# Altium PCB spin5v1_simple.PcbDoc (part 15 of 25) (continued)
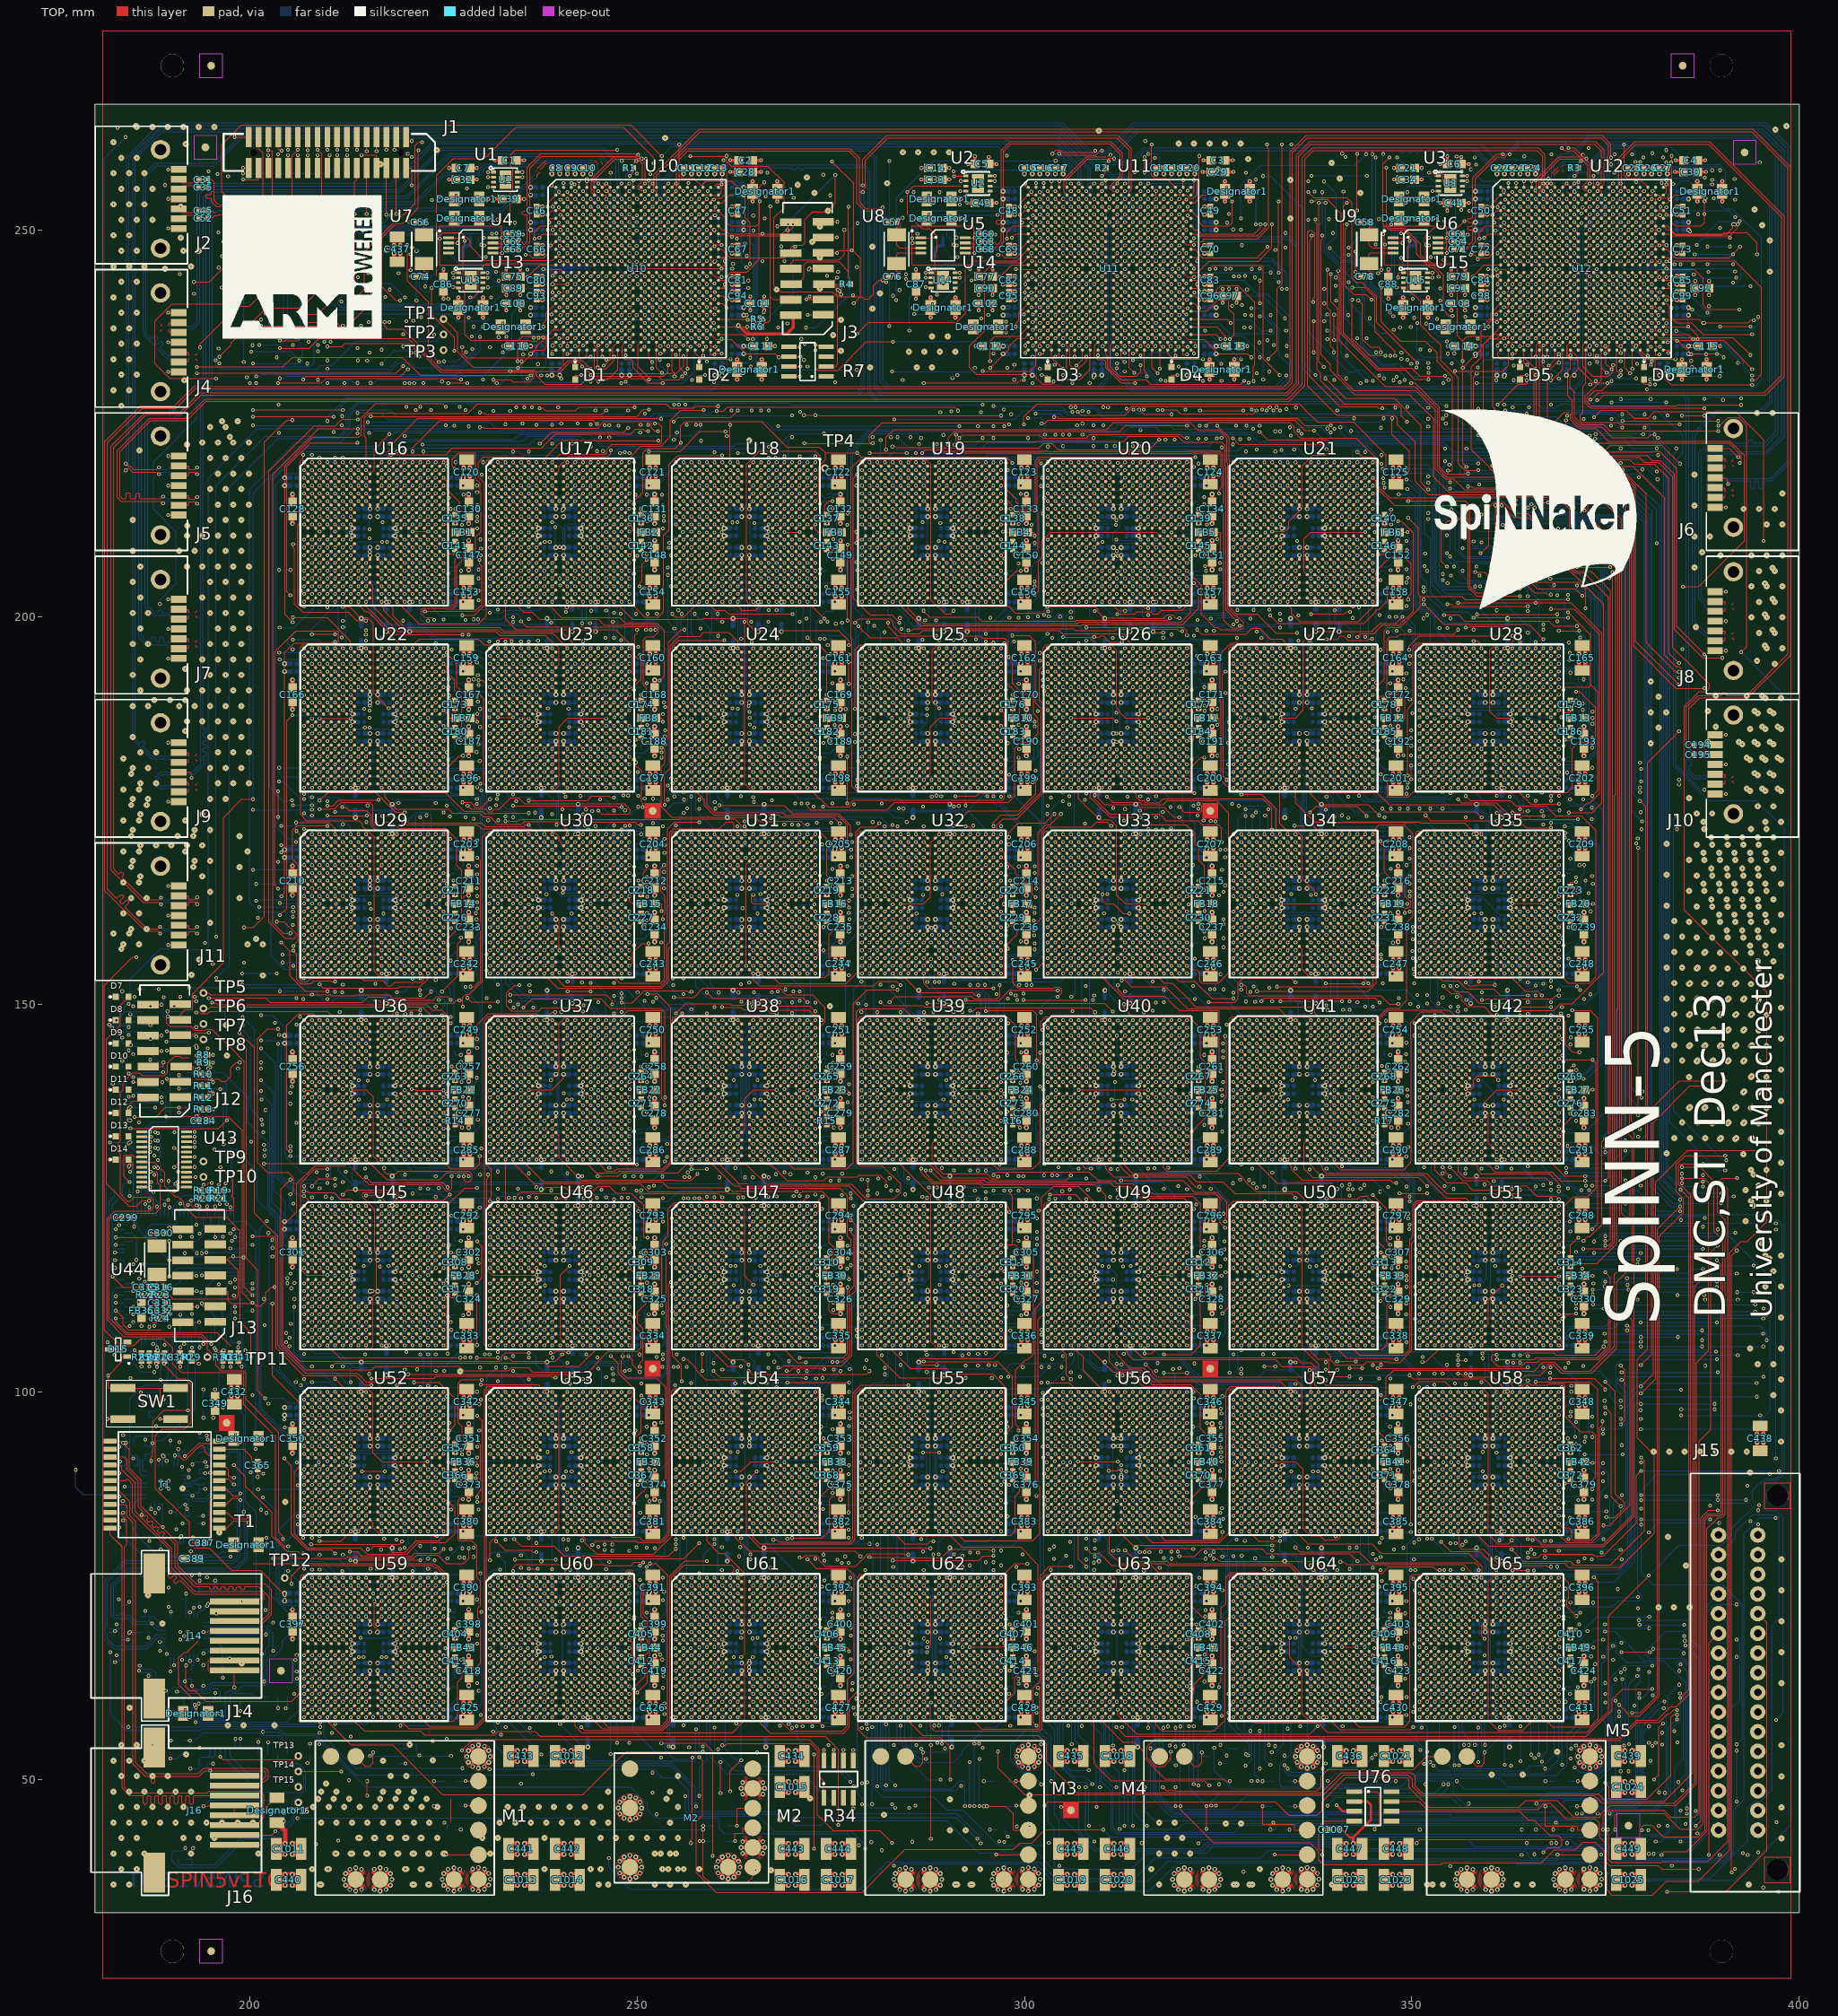
[diagram p0: TOP view]
## Nets (pads, with @x,y where several pads share a name; then routed paths per layer and width w, separated by ;. In a path a pad name is that pad's centre, name@x,y a point inside that pad or via, vN(x,y) a via of type N, cw(c..) or ccw(c..) an arc to the next point about the centre after c; other vN are vias at no path point) (continued)
  other v1: 219,84 234,123
S39_L1<12>: U46.C4 U52.R12
  other v1: 219,85 229.334,92.924 234,122
S39_L1<13>: U46.A5 U52.V13
  other v1: 220,82 235,124
S39_L1<14>: U46.B5 U52.U13 | length 2.7
  TOP w0.127: v1(229.291,104.412) v1(232,104.412)
  other v1: 220,83 235,123
S39_L1<15>: U46.C5 U52.T13
  other v1: 220,84 235,122
S39_L2<0>: U45.R5 U52.R16 | length 20.8
  TOP w0.127: v1(211,101.693) 212.262,100.431 215.192,100.431 215.891,99.732 215.891,92.139 217.034,90.996 v1(222.901,90.996)
  other v1: 223,85 211,109
S39_L2<1>: U45.V3 U52.N15 | length 17.3
  BOTTOM w0.127: v1(206.569,89.431) 213.232,89.431 213.431,89.232 213.431,87.828 213.828,87.431 221.569,87.431 v1(222,87)
  other v1: 209,106
S39_L2<2>: U45.V4 U52.N16 | length 17.8
  TOP w0.127: v1(210,106) 211.589,104.411 226.737,104.411 226.738,104.412 v1(227.169,104.412)
  other v1: 223,87 227.267,90.083
S39_L2<3>: U45.U4 U52.N17 | length 14.3
  BOTTOM w0.127: 210,107 210.432,106.568 210.432,105.95 210.813,105.569 222.273,105.569 v1(223,104.842)
  other v1: 224,87
S39_L2<4>: U45.T4 U52.N18 | length 26
  TOP w0.127: 225,87 225.607,87.607 v1(225.607,88.505)
  BOTTOM w0.127: v1(206.076,90.896) 206.507,90.896 206.903,90.5 213.034,90.5 213.431,90.897 213.431,91.966 213.531,92.066 218.461,92.066 218.561,91.966 218.561,88.823 218.879,88.505 v1(225.607,88.505)
  other v1: 210,108 205.289,108.8
S39_L2<5>: U45.V5 U52.P16 | length 25.6
  BOTTOM w0.127: v1(210,91.069) 209.569,91.069 209.276,91.362 205.899,91.362 205.645,91.108 205.645,89.701 206.915,88.431 212.232,88.431 212.431,88.232 212.431,86.939 212.939,86.431 222.569,86.431 v1(223,86)
  other v1: 211,106
S39_L2<6>: U45.U5 U52.P17 | length 39.7
  BOTTOM w0.127: v1(211,107) 211.569,106.431 223.232,106.431 223.431,106.232 223.431,89.939 223.939,89.431 225.339,89.431 226.038,88.732 226.038,87.601 225.949,87.512 225.949,86.604 226.049,86.504 226.951,86.504 227.051,86.404 227.051,85.544 226.951,85.444 224.556,85.444 224,86
S39_L2<7>: U45.T5 U52.P18 | length 59.7
  TOP w0.127: v1(202.916,111.4) 202.916,102.087 206.507,98.496 206.507,90.431 205.736,89.66 205.736,81.661 207.514,79.883 214.28,79.883 215.122,79.041 220.263,79.041 220.66,79.438 220.66,79.45 221.74,80.53 225.279,80.53 226.486,81.737 226.486,84.984 225.47,86 v1(225,86)
  other v1: 224,86 211,108
S39_L2<8>: U45.R7 U52.V18
  other v1: 215.601,77.158 225,82 213,109
S39_L2<9>: U45.V6 U52.R17
  other v1: 223,78.477 217.328,81.042 224,85 212,106
S39_L2<10>: U45.U6 U52.R18 | length 12.7
  TOP w0.127: v1(212.9,79.375) 213.859,79.375 214.447,78.787 220.914,78.787 221.289,79.162 224.456,79.162 v1(225.001,79.707)
  other v1: 225,85 212,107
S39_L2<11>: U45.T6 U52.T16
  other v1: 223,77.158 223,84 212,108
S39_L2<12>: U45.R6 U52.T17
  other v1: 223.862,79.793 218.939,80.926 224,84 220,102.88 212,109
S39_L2<13>: U45.V7 U52.T18 | length 14.1
  TOP w0.127: v1(215.201,79.682) 215.632,79.682 216.019,80.069 217.734,80.069 218.508,79.295 220.009,79.295 220.406,79.692 220.406,79.704 221.486,80.784 224.415,80.784 225.431,81.8 225.431,83.569 v1(225,84)
  other v1: 213,106
S39_L2<14>: U45.U7 U52.U17 | length 10.6
  TOP w0.127: v1(221.168,101.238) 224.39,101.238 226.486,99.142 226.486,95.713 v1(225.773,95)
  other v1: 224,83 225.989,84.813 213,107
S39_L2<15>: U45.T7 U52.U18
  other v1: 225,83 229.072,83.222 213,108
S39_L3<0>: U10.M1 U52.D11 | length 31.6
  TOP w0.127: v1(200.317,120.086) 203.093,120.086 203.347,119.832 203.347,105.68 206.903,102.124 213.67,102.124 214.496,101.298 214.496,101.243 214.877,100.862 v1(215.661,100.862)
  other v1: 218,97 199.924,236.37 239.099,244.065 239.099,244.065
S39_L3<1>: U10.M2 U52.A10 | length 58.6
  TOP w0.127: v1(198.647,146.336) 200.576,144.407 200.576,123.044 202.418,121.202 202.458,121.202 203.601,120.059 203.601,105.998 207.221,102.378 213.924,102.378 214.75,101.552 214.75,101.547 215.004,101.293 216.174,101.293 217,100.467 v1(217,100)
S39_L3<2>: U10.M3 U52.B10
  other v1: 217,99 241,244
S39_L3<3>: U10.M4 U52.C10
  other v1: 217,98 218.073,242.3 242,244
S39_L3<4>: U10.M5 U52.D10
  other v1: 217,97 232.142,243.465 243,244
S39_L3<5>: U10.M6 U52.A11
  other v1: 218,100 215.4,102.331 210,127.927 244,244
S39_L3<6>: U10.M7 U52.B11 | length 11.5
  BOTTOM w0.127: v1(200.404,224.77) v1(211.862,224.77)
  other v1: 218,99 214.872,104.842 213.867,223.732 245,244
S39_L3<7>: U10.M8 U52.C11 | length 3.5
  BOTTOM w0.127: v1(237,224.85) 237.431,225.281 239.488,225.281 239.769,225 v1(240.2,225)
  other v1: 218,98 246,244
S39_L3<8>: U10.N1 U52.D9 | length 40.6
  BOTTOM w0.127: v1(201.817,112) 201.817,111.569 201.479,111.231 201.479,97.808 204.718,94.569 215.24,94.569 215.685,95.014 215.685,96.315 v1(215,97) ; v1(230.742,242.6) 231.173,242.6 231.323,242.75 235.502,242.75 236.248,243.496 238.003,243.496 238.434,243.065
  other v1: 201.6,134.514 202.04,242.882
S39_L3<9>: U10.N3 U52.A8 | length 13.6
  TOP w0.127: v1(239.041,243) v1(241,243)
  BOTTOM w0.127: v1(205.119,105.896) 205.119,105.363 207.85,102.632 211.05,102.632 211.939,101.743 211.939,101.701 213.209,100.431 213.569,100.431 v1(214,100)
  other v1: 201.434,142.52 201.034,161.205 239.099,243
S39_L3<10>: U10.N4 U52.B8 | length 49.5
  BOTTOM w0.127: v1(205.72,111) 205.72,105.164 206.927,103.957 211.315,103.957 v1(212,103.272) ; v1(211.8,240.76) 212.345,240.215 227.978,240.215 229.185,241.422 229.185,243.699 230.392,244.906 230.907,244.906 231.106,244.707 231.106,243.892 231.427,243.571 231.427,243.542 231.935,243.034 233.739,243.034 234.455,243.75 236.836,243.75 237.035,243.949 237.035,243.988 237.543,244.496 241.113,244.496 241.431,244.178 241.431,243.569 242,243
  other v1: 214,99
S39_L3<11>: U10.N6 U52.C8 | length 38
  BOTTOM w0.127: v1(213.232,241.7) 212.131,241.7 211.369,240.938 211.369,240.406 211.814,239.961 230.779,239.961 231.573,240.755 231.573,240.781 233.288,242.496 238.655,242.496 239.582,241.569 243.232,241.569 243.431,241.768 243.431,242.431 244,243
  other v1: 214,98
S39_L3<12>: U10.N7 U52.D8 | length 11.5
  BOTTOM w0.127: v1(204.49,95.411) 206.24,95.411 206.26,95.431 214.05,95.431 214.431,95.812 214.431,96.569 v1(214,97)
  other v1: 245,243 203.671,250.935
S39_L3<13>: U10.P1 U52.A9 | length 6.5
  BOTTOM w0.127: v1(203.887,151.723) 208.427,151.723 209.452,150.698 v1(210,150.698)
  other v1: 215,100 215.2,240.9 239.069,241.931 244,243
S39_L3<14>: U10.P2 U52.B9
  other v1: 215,99 230.969,149.723 239.901,241.931
S39_L3<15>: U10.P3 U52.C9 | length 48.8
  BOTTOM w0.127: v1(205.259,115.268) 204.766,115.268 204.258,114.76 204.258,105.617 207.497,102.378 209.462,102.378 211.431,100.409 211.431,98.939 211.939,98.431 214.569,98.431 v1(215,98) ; v1(225.607,241.129) 225.607,242.62 226.381,243.394 226.437,243.394 226.69,243.647 226.69,243.703 228.147,245.16 231.042,245.16 231.36,244.842 231.36,244.348 231.559,244.149 236.582,244.149 236.781,244.348 236.781,244.353 237.178,244.75 241.859,244.75 242.431,244.178 242.431,242.812 242.05,242.431 241.431,242.431 241,242
S39_L4<0>: U10.J3 U52.D7 | length 8.8
  BOTTOM w0.127: v1(204.455,96.434) 212.434,96.434 v1(213,97)
  other v1: 197.632,132.348 192.77,241.76 241,248
S39_L4<1>: U10.J4 U52.A6
  other v1: 212,100 201.484,137.734 242,248 251.115,259.176
S39_L4<2>: U10.J6 U52.B6
  other v1: 212,99 205.61,124.302 205.397,139.421 202.04,244.482 207.594,244.482 244,248
S39_L4<3>: U10.J7 U52.C6
  other v1: 212,98 201.716,133.514 217.473,247.255 198.404,247.667 245,248
S39_L4<4>: U10.K1 U52.D6 | length 17.7
  TOP w0.127: v1(224.514,248.858) 224.514,249.304 224.895,249.685 227.286,249.685 228.429,248.542 228.429,247.894 230.271,246.052 239.052,246.052 U10.K1@239.5,246.5
  other v1: 212,97 212.422,248.858
S39_L4<5>: U10.K2 U52.A7
  other v1: 213,100 201.91,108.6 196.369,242.56 239.901,247
S39_L4<6>: U10.K3 U52.B7
  other v1: 213,99 208,125.116 241,247
S39_L4<7>: U10.K4 U52.C7 | length 97.1
  BOTTOM w0.127: v1(199.043,148.368) 200.586,146.825 200.586,139.054 201.221,138.419 201.438,138.419 202.835,137.022 202.835,124.496 204.344,122.987 204.344,119.002 205.995,117.351 206.04,117.351 206.437,116.954 206.437,104.846 206.818,104.465 211.476,104.465 213,102.941 v1(213,101.262) ; v1(207.164,241.682) 206.733,242.113 206.733,244.28 212.004,249.551 230.474,249.551 230.673,249.352 230.673,249.339 232.515,247.497 241.503,247.497 v1(242,247)
  other v1: 213,98
S39_L4<8>: U10.K5 U52.D5
  other v1: 211,97 206.569,100.862 207.164,242.882 216.479,246.867 243,247
S39_L4<9>: U10.K6 U52.A3
  other v1: 209,100 204.689,107.6 199.903,244.882 244,247
S39_L4<10>: U10.K7 U52.A4 | length 57.3
  BOTTOM w0.127: v1(202.035,136.388) 202.581,135.842 202.581,123.988 203.836,122.733 203.836,102.717 206.122,100.431 209.569,100.431 v1(210,100) ; v1(231.849,249.559) 231.849,249.068 232.421,248.496 242.113,248.496 242.431,248.178 242.431,246.95 242.812,246.569 244.569,246.569 v1(245,247)
  other v1: 200.753,246.867
S39_L4<11>: U10.K8 U52.B4 | length 25.6
  BOTTOM w0.127: v1(202.897,119.655) 202.485,119.243 202.485,103.686 206.74,99.431 209.569,99.431 v1(210,99)
  other v1: 203.735,223.786 246,247 207.564,248.858
S39_L4<12>: U10.L1 U52.C4 | length 87.2
  TOP w0.127: v1(198.681,145.136) 199.53,144.287 199.53,117.199 201.002,115.727 201.002,100.13 v1(201.955,99.177) ; v1(228.451,241.3) 228.894,241.3 229.466,241.872 229.466,244.669 230.482,245.685 238.212,245.685 238.397,245.5 U10.L1@239.5,245.5
  BOTTOM w0.127: v1(201.955,99.177) 204.304,99.177 204.915,98.566 209.434,98.566 v1(210,98) ; v1(213.935,243.9) 213.935,243.136 216.602,240.469 227.62,240.469 v1(228.451,241.3)
S39_L4<13>: U10.L3 U52.A5 | length 3.8
  BOTTOM w0.127: v1(208,101.262) 210.174,101.262 211,100.436 v1(211,100)
  other v1: 208,103.272 195.963,234.683 195.963,245.141 241,246
S39_L4<14>: U10.L4 U52.B5
  other v1: 211,99 242,246
S39_L4<15>: U10.L6 U52.C5 | length 22.7
  BOTTOM w0.127: v1(201.435,236.624) 202.609,236.624 203.006,237.021 203.006,245.468 209.356,251.818 v1(212.852,251.818)
  other v1: 211,98 204.86,114.03 205.229,138.621 244,246
S40_L0<0>: U45.R11 U46.D11 | length 6.4
  TOP w0.127: v1(229.317,106.042) v1(229.317,112.465)
  other v1: 220.2,105.138 218,109 242,121
S40_L0<1>: U45.V10 U46.A10 | length 15.4
  TOP w0.127: v1(217,106) 217.431,105.569 225.232,105.569 225.431,105.768 v1(225.431,112.43)
  other v1: 238.067,116.242 241,124
S40_L0<2>: U45.U10 U46.B10 | length 20.7
  BOTTOM w0.127: v1(214.681,116.258) 215.113,116.258 216.193,117.338 216.193,118.806 216.892,119.505 225.174,119.505 225.492,119.823 225.492,122.847 226.445,123.8 v1(229.665,123.8)
  other v1: 217,107 241,123
S40_L0<3>: U45.T10 U46.C10 | length 57
  BOTTOM w0.127: v1(217,108) 216.569,107.569 209.768,107.569 209.569,107.768 209.569,119.232 209.768,119.431 215.116,119.431 216.254,120.569 224.232,120.569 224.431,120.768 224.431,124.05 224.812,124.431 229.651,124.431 230.096,123.986 230.096,122.268 230.795,121.569 240.569,121.569 v1(241,122)
S40_L0<4>: U45.R10 U46.D10 | length 13.2
  BOTTOM w0.127: v1(217,109) 217.445,109.445 224.113,109.445 224.431,109.763 224.431,114.05 224.812,114.431 v1(225.431,114.431)
  other v1: 241,121
S40_L0<5>: U45.V11 U46.A11 | length 30.4
  BOTTOM w0.127: v1(217.912,116.242) 218.37,116.242 218.569,116.043 218.569,115.768 218.768,115.569 223.232,115.569 223.431,115.768 223.431,117.054 223.939,117.562 226.959,117.562 227.658,118.261 227.658,118.399 229.69,120.431 241.05,120.431 241.431,120.812 241.431,123.431 v1(242,124)
  other v1: 218,106 210,107
S40_L0<6>: U45.U11 U46.B11
  other v1: 218,107 227.533,109.892 229.272,122.6 242,123
S40_L0<7>: U45.T11 U46.C11 | length 37.9
  TOP w0.127: v1(229.304,114.069) 229.973,114.738 229.973,118.8 v1(229.342,119.431)
  BOTTOM w0.127: v1(218,108) 218.432,107.568 226.514,107.568 227.693,108.747 227.73,108.747 228.746,109.763 228.746,113.511 v1(229.304,114.069) ; v1(229.342,119.431) 242.051,119.431 242.432,119.812 242.432,121.568 v1(242,122)
S40_L0<8>: U45.R9 U46.D9
  other v1: 215,109 238.077,113.742 239,121
S40_L0<9>: U45.V8 U46.A8
  other v1: 232,105.138 214,106 238,124 232,124.862
S40_L0<10>: U45.U8 U46.B8 | length 23
  BOTTOM w0.127: v1(216.775,124.607) 217.206,124.607 217.216,124.597 218.205,124.597 218.323,124.715 229.778,124.715 230.35,124.143 230.35,123.014 230.795,122.569 237.569,122.569 v1(238,123)
  other v1: 214,107
S40_L0<11>: U45.T8 U46.C8
  other v1: 214,108 225.69,118.993 238,122
S40_L0<12>: U45.R8 U46.D8
  other v1: 214,109 238,121 220.043,128.042 238.917,128.442
S40_L0<13>: U45.V9 U46.A9 | length 34.3
  TOP w0.127: v1(215,106) 215,105.809 215.24,105.569 215.573,105.569 215.891,105.887 215.891,112.266 216.37,112.745 216.37,118.077 216.109,118.338 216.109,123.605 214.775,124.939 214.768,124.939 214.569,125.138 214.569,125.602 214.768,125.801 218.051,125.801 218.496,125.356 218.496,124.914 218.695,124.715 225.046,124.715 v1(225.8,125.469)
  other v1: 217,119 239,124
S40_L0<14>: U45.U9 U46.B9
  other v1: 215,107 239,123 221,125.606 238.917,126.02
S40_L0<15>: U45.T9 U46.C9 | length 19.1
  TOP w0.127: v1(230.746,128.045) 230.746,127.614 230.569,127.437 230.569,115.768 231.268,115.069 v1(237,115.069)
  other v1: 215,108 225.99,108 239,122
S40_L1<0>: U36.D7 U45.V16
  other v1: 223,106 213,145
S40_L1<1>: U36.A6 U45.V14
  other v1: 221,106 216.801,116.172 212,148
S40_L1<2>: U36.B6 U45.U14
  other v1: 221,107 220.057,114.965 212,147
S40_L1<3>: U36.C6 U45.T14
  other v1: 221,108 212,146
S40_L1<4>: U36.D6 U45.R14 | length 8.8
  BOTTOM w0.127: 212,145 212.569,144.431 213.232,144.431 213.431,144.232 213.431,137.941 213.63,137.742 v1(214.077,137.742)
  other v1: 221,109 215.825,113
S40_L1<5>: U36.A7 U45.V15 | length 20.2
  BOTTOM w0.127: v1(213,148) 213.432,147.568 213.432,146.939 213.94,146.431 222.232,146.431 222.431,146.232 222.431,139.95 222.812,139.569 225.445,139.569 v1(225.607,139.731)
  other v1: 225.525,104.942 222,106
S40_L1<6>: U36.B7 U45.U15
  other v1: 222,107 213,147
S40_L1<7>: U36.C7 U45.T15
  other v1: 222,108 221.901,114.931 213,115.035 212.4,128.424 213,146
S40_L1<8>: U36.D5 U45.R13
  other v1: 220,109 214.067,140.25 211,145
S40_L1<9>: U36.A3 U45.V12 | length 39.9
  TOP w0.127: v1(205.229,131.078) 204.999,131.078 204.759,131.318 204.759,147.337 206.283,148.861 208.139,148.861 v1(209,148)
  BOTTOM w0.127: v1(207,101.662) 207,101.193 207.508,100.685 209.986,100.685 210.431,100.24 210.431,97.95 210.812,97.569 218.178,97.569 218.496,97.887 218.496,100.357 v1(219,100.861)
  other v1: 219,106
S40_L1<10>: U36.A4 U45.U12
  other v1: 219,107 209.8,125.201 210,148
S40_L1<11>: U36.B4 U45.T12
  other v1: 219,108 218.927,125.146 210,147
S40_L1<12>: U36.C4 U45.R12
  other v1: 219,109 214.865,128.842 210,146
S40_L1<13>: U36.A5 U45.V13
  other v1: 220,106 211,148
S40_L1<14>: U36.B5 U45.U13
  other v1: 220,107 211,147
S40_L1<15>: U36.C5 U45.T13 | length 8.1
  TOP w0.127: v1(212,125.462) 212.593,126.055 218.655,126.055 v1(219.534,125.176)
  other v1: 220,108 211,146
S40_L2<0>: U29.R5 U45.R16
  other v1: 223,109 211,157
S40_L2<1>: U29.V3 U45.N15
  other v1: 222,111 209,154
S40_L2<2>: U29.V4 U45.N16 | length 36.1
  TOP w0.127: v1(210,115.069) 207.3,115.069 206.538,115.831 206.538,126.936 208.38,128.778 v1(210,128.778)
  BOTTOM w0.127: v1(210,115.069) 210.431,115.069 210.828,115.466 213.232,115.466 213.431,115.267 213.431,111.828 213.828,111.431 222.569,111.431 v1(223,111)
  other v1: 213,114 213,116 210,154
S40_L2<3>: U29.U4 U45.N17
  other v1: 224,111 211,115.017 211,126.662 210,155
S40_L2<4>: U29.T4 U45.N18 | length 6
  BOTTOM w0.127: v1(204.229,155.431) 209.431,155.431 v1(210,156)
  other v1: 225,111 205.337,113.4
S40_L2<5>: U29.V5 U45.P16
  other v1: 223,110 221,115.069 223,115.067 215.225,140.172 211,154
S40_L2<6>: U29.U5 U45.P17
  other v1: 224,110 211,155
S40_L2<7>: U29.T5 U45.P18 | length 4.2
  TOP w0.127: v1(220.901,139.067) 221.332,139.067 221.468,138.931 v1(225,138.931)
  other v1: 225,110 224.4,126.311 211,156
S40_L2<8>: U29.R7 U45.V18
  other v1: 225,106 226.968,118.193 227.285,136.934 213,157
S40_L2<9>: U29.V6 U45.R17
  other v1: 224,109 224,125.146 212,154
S40_L2<10>: U29.U6 U45.R18 | length 11.7
  BOTTOM w0.127: v1(205.229,130.431) 208.05,130.431 208.431,130.812 208.431,138.362 v1(209,138.931)
  other v1: 225,109 205.751,112 212,155
S40_L2<11>: U29.T6 U45.T16
  other v1: 223,108 212,156
S40_L2<12>: U29.R6 U45.T17 | length 1
  TOP w0.127: v1(207,138.931) v1(208,138.931)
  other v1: 224,104.842 207,104.896 224,108 212,157
S40_L2<13>: U29.V7 U45.T18
  other v1: 225,108 213,154
S40_L2<14>: U29.U7 U45.U17
  other v1: 227.776,104.443 224,107 221.975,151.266 213,155
S40_L2<15>: U29.T7 U45.U18
  other v1: 225,107 226.968,127.822 217.705,137.758 227.227,142.607 213,156
S40_L3<0>: U10.T7 U45.D11
  other v1: 218,121 211.6,149.028 212,199.537 245,240
S40_L3<1>: U10.U1 U45.A10 | length 88.3
  BOTTOM w0.127: v1(205.572,161.993) 201.18,161.993 199.973,163.2 199.973,216.56 206.006,222.593 211.669,222.593 213.193,224.117 213.193,224.262 213.701,224.77 v1(225.299,224.77)
  other v1: 217,124 238.935,239.099
S40_L3<2>: U10.U3 U45.B10 | length 19.6
  BOTTOM w0.127: v1(203.735,206.1) v1(205.235,206.1) ; v1(225.053,233.03) 226.696,233.03 v1(227.9,234.234) ; v1(232.648,234.234) 233.831,235.417 233.831,239.169 235.482,240.82 236.009,240.82 236.685,241.496 237.997,241.496 238.394,241.099 238.394,240.774 239.728,239.44 240.56,239.44 v1(241,239)
  other v1: 217,123
S40_L3<3>: U10.U4 U45.C10 | length 86.3
  TOP w0.127: v1(203.638,146.865) 202.273,146.865 201.003,145.595 201.003,129.611 202.273,128.341 204.961,128.341 205.66,127.642 205.66,125.968 v1(205.229,125.537)
  BOTTOM w0.127: v1(203.871,230.837) 204.302,230.837 204.587,231.122 230.148,231.122 234.339,235.313 234.339,235.578 235.185,236.424 235.185,236.716 236.9,238.431 241.431,238.431 v1(242,239) ; v1(205.229,125.537) 205.229,125.106 205.179,125.056 205.179,123.709 206.068,122.82 206.111,122.82 206.508,122.423 206.508,120.823 206.762,120.569 213.232,120.569 213.431,120.768 213.431,122.051 213.812,122.432 215.469,122.432 215.901,122 v1(217,122)
  other v1: 204.034,169.634
S40_L3<4>: U10.U6 U45.D10 | length 56.1
  BOTTOM w0.127: v1(201.435,148.622) 202.926,148.622 204.577,146.971 204.577,130.443 206.673,128.347 v1(208.599,128.347) ; v1(222.616,242.7) 222.616,243.208 224.839,245.431 236.948,245.431 237.121,245.258 244.351,245.258 245.431,244.178 245.431,239.812 245.05,239.431 244.431,239.431 v1(244,239)
  other v1: 217,121
S40_L3<5>: U10.V1 U45.A11 | length 14.8
  TOP w0.127: v1(231,124.607) 231,125.038 231.177,125.215 231.177,128.68 230.569,129.288 230.569,138.5 v1(231,138.931)
  other v1: 218,124 217,234.549 239.017,238.099
S40_L3<6>: U10.V2 U45.B11 | length 80.4
  TOP w0.127: v1(203.443,160.707) 204.378,160.707 205.966,159.119 205.966,158.823 205.712,158.569 204.539,158.569 202.443,160.665 202.443,218.834 208.285,224.676 210.999,224.676 211.863,225.54 v1(213.933,225.54)
  other v1: 218,123 203.238,147.652 213.938,233.153 240.069,238.099
S40_L3<7>: U10.V3 U45.C11 | length 24.6
  TOP w0.127: v1(200.404,226.771) v1(212,226.771)
  BOTTOM w0.127: v1(206.984,126.54) 207.4,126.124 207.4,126.114 207.781,125.733 210.703,125.733 211.866,124.57 215.05,124.57 215.939,123.681 215.939,123.447 216.955,122.431 217.569,122.431 v1(218,122)
  other v1: 241,238
S40_L3<8>: U10.V5 U45.D9 | length 35.8
  BOTTOM w0.127: v1(198.612,150.417) 198.612,147.129 198.811,146.93 198.871,146.93 200.078,145.723 200.078,136.54 v1(201.484,135.134) ; v1(210.292,241.282) 210.292,240.842 211.435,239.699 227.237,239.699 v1(228.267,238.669)
  other v1: 215,121 243,238
S40_L3<9>: U10.V7 U45.A8 | length 14.6
  BOTTOM w0.127: v1(217,232.718) 217.939,233.657 217.939,233.679 218.701,234.441 220.13,234.441 220.332,234.643 221.601,234.643 223.316,232.928 223.316,232.881 223.713,232.484 226.985,232.484 228.7,234.199 v1(228.7,234.634)
  other v1: 214,124 212.202,230.23 245,238
S40_L3<10>: U10.W1 U45.B8 | length 5
  BOTTOM w0.127: v1(210.6,125) 210.6,124.569 210.569,124.538 210.569,123.812 210.95,123.431 213.569,123.431 v1(214,123)
  other v1: 207.048,236.549 219.8,236.549
S40_L3<11>: U10.W3 U45.C8 | length 123.5
  BOTTOM w0.127: v1(205.435,176.353) 204.193,176.353 202.542,178.004 202.542,217.64 206.733,221.831 240.538,221.831 240.769,221.6 v1(241.2,221.6) ; v1(206.01,147.431) 209.232,147.431 209.431,147.232 209.431,132.939 209.939,132.431 211.232,132.431 211.431,132.232 211.431,128.554 212.685,127.3 212.685,127.263 213.082,126.866 214.669,126.866 216.193,125.342 216.193,124.193 216.955,123.431 218.232,123.431 218.431,123.232 218.431,121.822 218.177,121.568 214.432,121.568 v1(214,122)
  other v1: 219,116 205.61,155 241,237
S40_L3<12>: U10.W4 U45.D8
  other v1: 214,121 229.263,161 229.35,162.407 229.848,208.865 232.093,236.172 242,237
S40_L3<13>: U10.W6 U45.A9 | length 11.3
  TOP w0.127: v1(206.969,125.909) 207.4,125.909 207.576,125.733 210.888,125.733 211.682,124.939 213,124.939 213.508,124.431 214.569,124.431 v1(215,124)
  BOTTOM w0.127: v1(205.545,175.746) v1(208,175.746)
  other v1: 206.029,134.714 228.653,236.255 244,237
S40_L3<14>: U10.Y1 U45.B9 | length 86.8
  TOP w0.127: v1(205.229,159.2) 204.285,159.2 202.951,160.534 202.951,218.433 208.857,224.339 v1(213.933,224.339)
  BOTTOM w0.127: v1(213.933,224.339) 225.598,224.339 225.975,224.716 v1(226.406,224.716)
  other v1: 215,123
S40_L3<15>: U10.Y2 U45.C9 | length 5.1
  TOP w0.127: v1(207.081,238.053) 211.141,238.053 211.571,237.623 v1(212.002,237.623)
  other v1: 215,122 206.475,148.43 239.933,236.001
S40_L4<0>: U10.P4 U45.D7 | length 63.2
  BOTTOM w0.127: v1(200.805,231.091) 201.236,231.091 201.521,231.376 226.652,231.376 229.7,234.424 v1(229.7,236.185) ; v1(201.434,144.341) 203.343,142.432 203.343,127.81 204.931,126.222 205.215,126.222 206.041,125.396 206.041,124.32 206.93,123.431 207.232,123.431 207.431,123.232 207.431,121.939 207.939,121.431 212.569,121.431 v1(213,121)
  other v1: 242,242
S40_L4<1>: U10.P5 U45.A6
  other v1: 212,124 243,242
S40_L4<2>: U10.P6 U45.B6
  other v1: 212,123 244,242
S40_L4<3>: U10.P7 U45.C6
  other v1: 212,122 245,242
S40_L4<4>: U10.P8 U45.D6
  other v1: 212,121 203.777,146.065 201.435,238.429 246,242 203.932,248.458
S40_L4<5>: U10.R1 U45.A7 | length 25.2
  TOP w0.127: v1(203.871,235.718) 206.179,235.718 206.378,235.917 206.378,236.535 206.823,236.98 212.024,236.98 216.279,241.235 v1(216.279,244.852) ; v1(206.969,125.302) 207.84,124.431 212.569,124.431 v1(213,124)
  other v1: 239.099,241.066
S40_L4<6>: U10.R3 U45.B7
  other v1: 213,123 215.184,175.707 241,241
S40_L4<7>: U10.R4 U45.C7
  other v1: 213,122 242,241 212.898,244.591
S40_L4<8>: U10.R7 U45.D5 | length 21.1
  BOTTOM w0.127: v1(199.023,154.022) v1(203.458,154.022) ; v1(231.791,244.58) 232.222,244.58 232.368,244.434 236.082,244.434 236.527,244.879 236.527,244.904 236.627,245.004 243.605,245.004 244.431,244.178 244.431,241.569 245,241
  other v1: 211,121
S40_L4<9>: U10.R8 U45.A3
  other v1: 209,124 205.535,160.276 205.947,236.149 246,241
S40_L4<10>: U10.T1 U45.A4
  other v1: 210,124 237.908,237.499
S40_L4<11>: U10.T2 U45.B4 | length 56.6
  TOP w0.127: v1(201.435,237.622) v1(210.055,237.622)
  BOTTOM w0.127: v1(203.638,144.941) 203.638,127.937 205.099,126.476 205.342,126.476 206.295,125.523 206.295,125.32 206.93,124.685 208.986,124.685 209.431,124.24 209.431,123.569 v1(210,123) ; v1(210.055,237.622) 211.624,239.191 225.723,239.191 226.676,238.238 230.514,238.238 230.917,238.641
  other v1: 239.932,240
S40_L4<12>: U10.T3 U45.C4 | length 36.7
  TOP w0.127: v1(200.405,225.886) v1(210.8,225.886)
  BOTTOM w0.127: v1(201.435,145.372) 203.87,145.372 204.069,145.173 204.069,127.924 205.022,126.971 v1(210,126.971)
  other v1: 210,122 241,240
S40_L4<13>: U10.T4 U45.A5 | length 6.5
  TOP w0.127: v1(207.21,239.09) 208.754,239.09 210.723,241.059 210.723,242.438 210.492,242.669 v1(210.492,243.1)
  other v1: 211,124 242,240
S40_L4<14>: U10.T5 U45.B5
  other v1: 211,123 203.443,233.553 243,240 215.8,241.9
S40_L4<15>: U10.T6 U45.C5
  other v1: 211,122 200.145,132.285 244,240 196.591,248.467 209.922,248.672
S41_L0<0>: U29.R11 U36.D11
  other v1: 218,145 218,157
S41_L0<1>: U29.V10 U36.A10
  other v1: 217,148 217,154
S41_L0<2>: U29.U10 U36.B10
  other v1: 217,147 217,155
S41_L0<3>: U29.T10 U36.C10
  other v1: 217,146 217,156
S41_L0<4>: U29.R10 U36.D10
  other v1: 217,145 217,157
S41_L0<5>: U29.V11 U36.A11
  other v1: 218,148
S41_L0<6>: U29.U11 U36.B11
  other v1: 218,147 218,155
S41_L0<7>: U29.T11 U36.C11
  other v1: 218,146 218,156
S41_L0<8>: U29.R9 U36.D9
  other v1: 215,145 215,157
S41_L0<9>: U29.V8 U36.A8
  other v1: 211,133 214,148 214,154
S41_L0<10>: U29.U8 U36.B8
  other v1: 214,147 214,155
S41_L0<11>: U29.T8 U36.C8
  other v1: 214,146 214,156
S41_L0<12>: U29.R8 U36.D8
  other v1: 214,145 214,157
S41_L0<13>: U29.V9 U36.A9
  other v1: 215,148 215,154
S41_L0<14>: U29.U9 U36.B9
  other v1: 215,147 215,155
S41_L0<15>: U29.T9 U36.C9
  other v1: 215,146 215,156
S41_L1<0>: U22.D7 U29.V16 | length 19.4
  TOP w0.127: v1(209,152.623) 209.466,152.157 219.135,152.157 219.282,152.304 221.984,152.304 223,153.32 v1(223,154) ; v1(209,186.931) v1(213,186.931)
  other v1: 213,193
S41_L1<1>: U22.A6 U29.V14 | length 60.7
  TOP w0.127: v1(203.636,164.97) 203.205,165.401 203.205,195.5 205.936,198.231 211.232,198.231 211.431,198.032 211.431,196.569 v1(212,196)
  BOTTOM w0.127: v1(203.636,164.97) 206.3,164.97 206.839,164.431 213.178,164.431 213.543,164.066 218.461,164.066 218.561,163.966 218.561,163.818 218.879,163.5 220.567,163.5 v1(221,163.067)
  other v1: 221,154
S41_L1<2>: U22.B6 U29.U14 | length 15.2
  BOTTOM w0.127: v1(212,195) 212.569,194.431 219.232,194.431 219.431,194.232 219.431,187.431 v1(219,187)
  other v1: 221,155
S41_L1<3>: U22.C6 U29.T14
  other v1: 221,156 222,187 212,194
S41_L1<4>: U22.D6 U29.R14
  other v1: 206.937,153.393 221,157 212,193
S41_L1<5>: U22.A7 U29.V15 | length 47.1
  TOP w0.127: v1(205.545,199.968) 209.952,199.968 213,196.92 v1(213,196) ; v1(206.02,172.397) 206.506,171.911 206.506,153.161 206.705,152.962 207.401,152.962 207.843,153.404 214.35,153.404 214.642,153.112 217.108,153.112 217.426,152.794 217.426,152.78 217.795,152.411 218.205,152.411 218.701,152.907 222.177,152.907 222.431,153.161 222.431,153.76 222.191,154 v1(222,154)
S41_L1<6>: U22.B7 U29.U15 | length 5.2
  BOTTOM w0.127: v1(219,151.596) 219.907,151.596 221.431,153.12 221.431,154.431 v1(222,155)
  other v1: 211.9,151.596 213,195 211.863,197.4
S41_L1<7>: U22.C7 U29.T15 | length 15.8
  BOTTOM w0.127: v1(215.487,165.465) 216.521,164.431 222.178,164.431 222.432,164.177 222.432,156.432 222,156
  other v1: 213,194
S41_L1<8>: U22.D5 U29.R13 | length 38.7
  TOP w0.127: v1(204.065,163.97) 204.498,164.403 204.498,195.478 205.705,196.685 210.454,196.685 210.569,196.8 v1(211,196.8)
  other v1: 220,157 211,193
S41_L1<9>: U22.A3 U29.V12 | length 56
  TOP w0.127: v1(209,196) 208.569,196.431 206.768,196.431 206.569,196.232 206.569,174.524 207.331,173.762 214.062,173.762 214.57,173.254 214.57,173.003 215.142,172.431 215.178,172.431 215.355,172.254 215.402,172.254 216.037,171.619 216.037,154.331 216.799,153.569 218.569,153.569 v1(219,154)
S41_L1<10>: U22.A4 U29.U12 | length 25.9
  BOTTOM w0.127: v1(205.535,161.338) 204.798,160.601 204.798,159.003 205.37,158.431 219.232,158.431 219.431,158.232 219.431,155.822 219,155.391 v1(219,155) ; v1(205.545,197.116) 208.884,197.116 v1(210,196)
S41_L1<11>: U22.B4 U29.T12 | length 21.3
  BOTTOM w0.127: v1(203.835,194.566) 209.566,194.566 v1(210,195) ; v1(204.229,156.431) 218.569,156.431 v1(219,156)
S41_L1<12>: U22.C4 U29.R12 | length 33.8
  TOP w0.127: v1(205.61,157.569) 206.241,158.2 206.241,168.039 205.514,168.766 205.514,172.505 206.086,173.077 v1(210,173.077)
  BOTTOM w0.127: v1(205.61,157.569) 218.431,157.569 v1(219,157)
  other v1: 210,194
S41_L1<13>: U22.A5 U29.V13 | length 22.9
  BOTTOM w0.127: v1(203.785,195.431) 210.431,195.431 v1(211,196) ; v1(206.871,150.698) 207.556,150.013 210.259,150.013 211.112,150.866 214.753,150.866 215.746,149.873 216.313,149.873 216.885,150.445 216.885,150.469 217.282,150.866 218.682,150.866 219,150.548 v1(219,148.861)
  other v1: 220,154
S41_L1<14>: U22.B5 U29.U13
  other v1: 216.2,152.681 220,155 211,195
S41_L1<15>: U22.C5 U29.T13 | length 62.9
  TOP w0.127: v1(203.866,161.562) 204.752,162.448 204.752,186.614 v1(205.5,187.362)
  BOTTOM w0.127: v1(203.866,161.562) 203.393,161.562 202.758,160.927 202.758,156.284 204.473,154.569 219.188,154.569 219.569,154.95 219.569,155.178 220,155.609 v1(220,156) ; v1(205.5,187.362) 209.986,187.362 210.431,187.807 210.431,193.431 v1(211,194)
S41_L2<0>: U10.R13 U29.R16
  other v1: 223,157 215.606,162.343 252,241 215.887,251.928
S41_L2<1>: U10.T12 U29.N15 | length 13.7
  BOTTOM w0.127: v1(212,139.069) 211.569,139.5 211.569,145.232 211.768,145.431 215.233,145.431 215.487,145.177 v1(215.487,141.933)
  other v1: 222,159 251,240 210.892,244.7 210.892,251.386